# Altium PCB DevKitWRM1470-r1.0.PcbDoc
Units mm, origin at the board's own origin, x right, y up, seen from the top; angles counter-clockwise.
Board outline 101.01 x 77.01 mm, 4 copper layers (Top Layer, GND, PWR, Bottom Layer), stack 1.572 mm thick; 147 components, 96 nets, 450 pads, 291 vias.
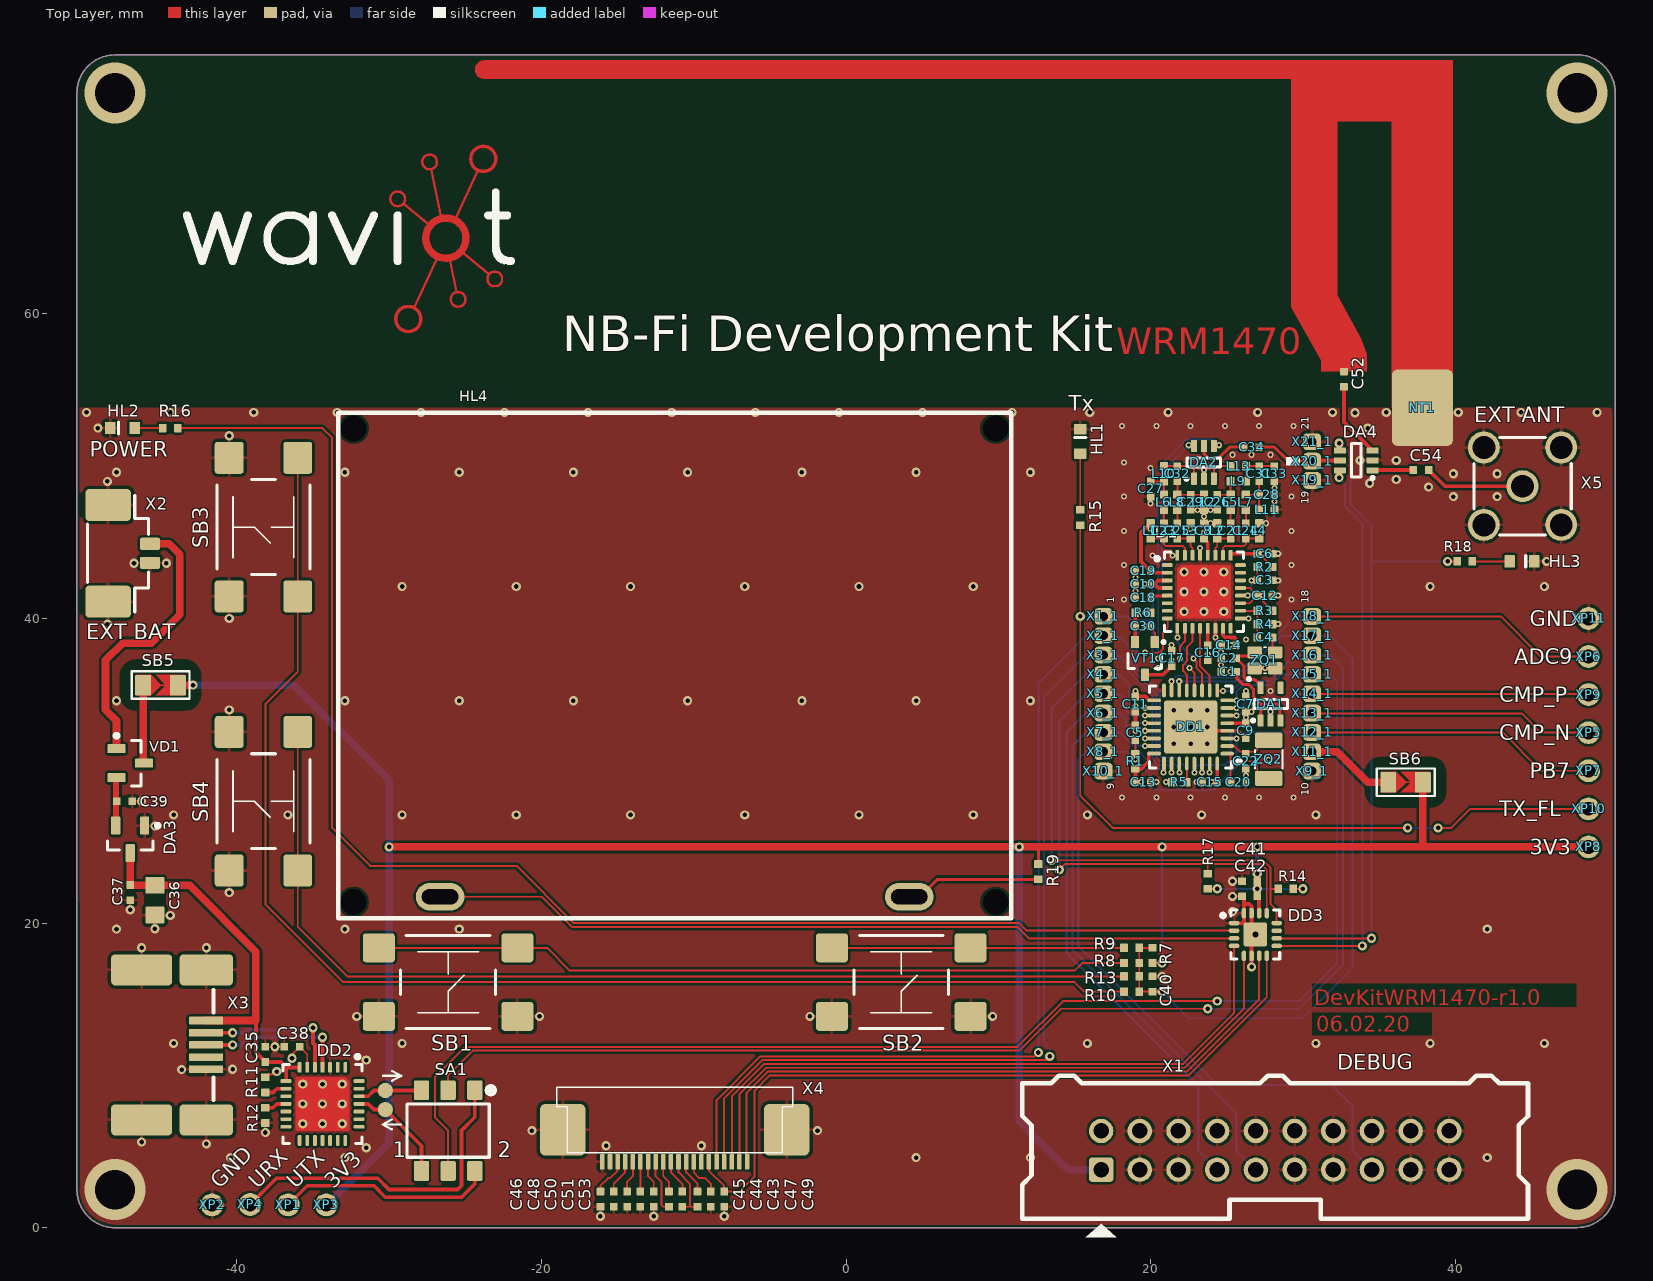
[diagram p0: Top Layer view]
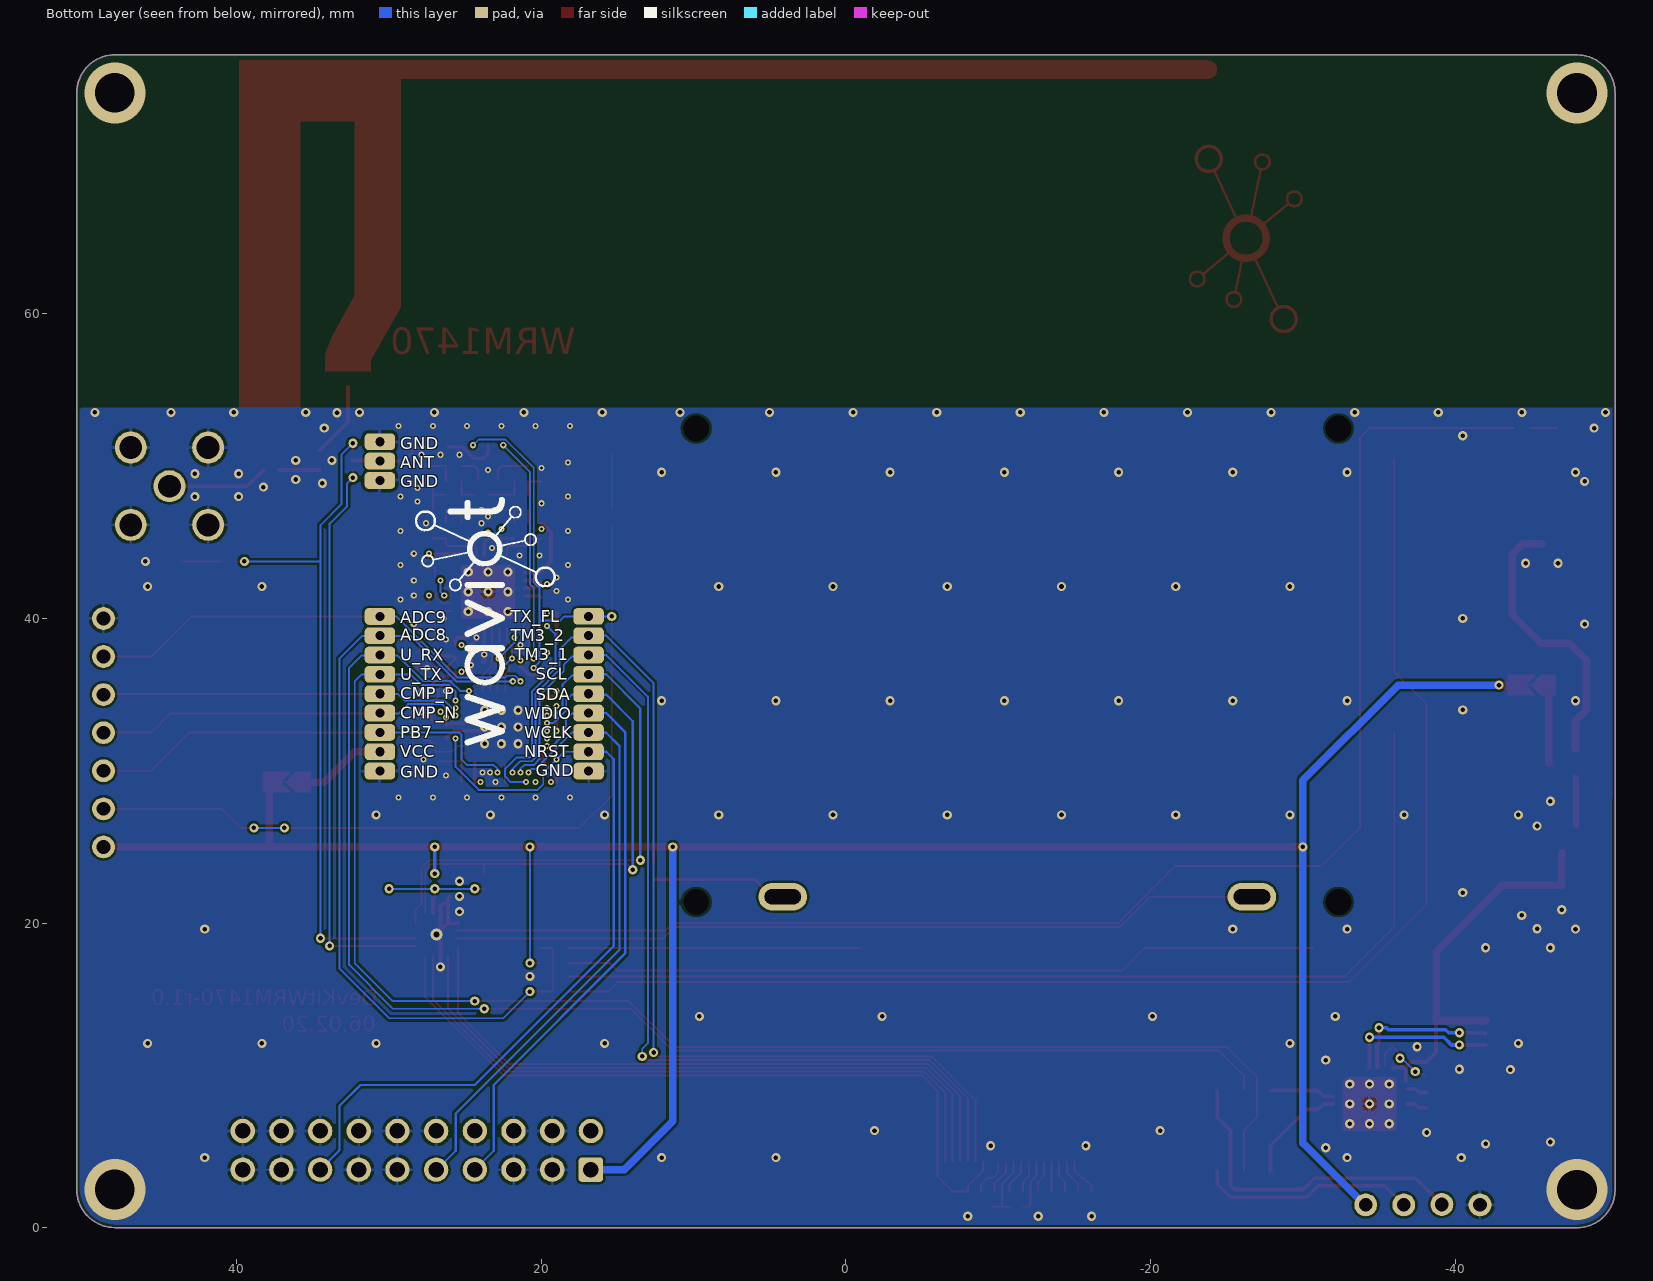
[diagram p1: Bottom Layer view, seen from below]
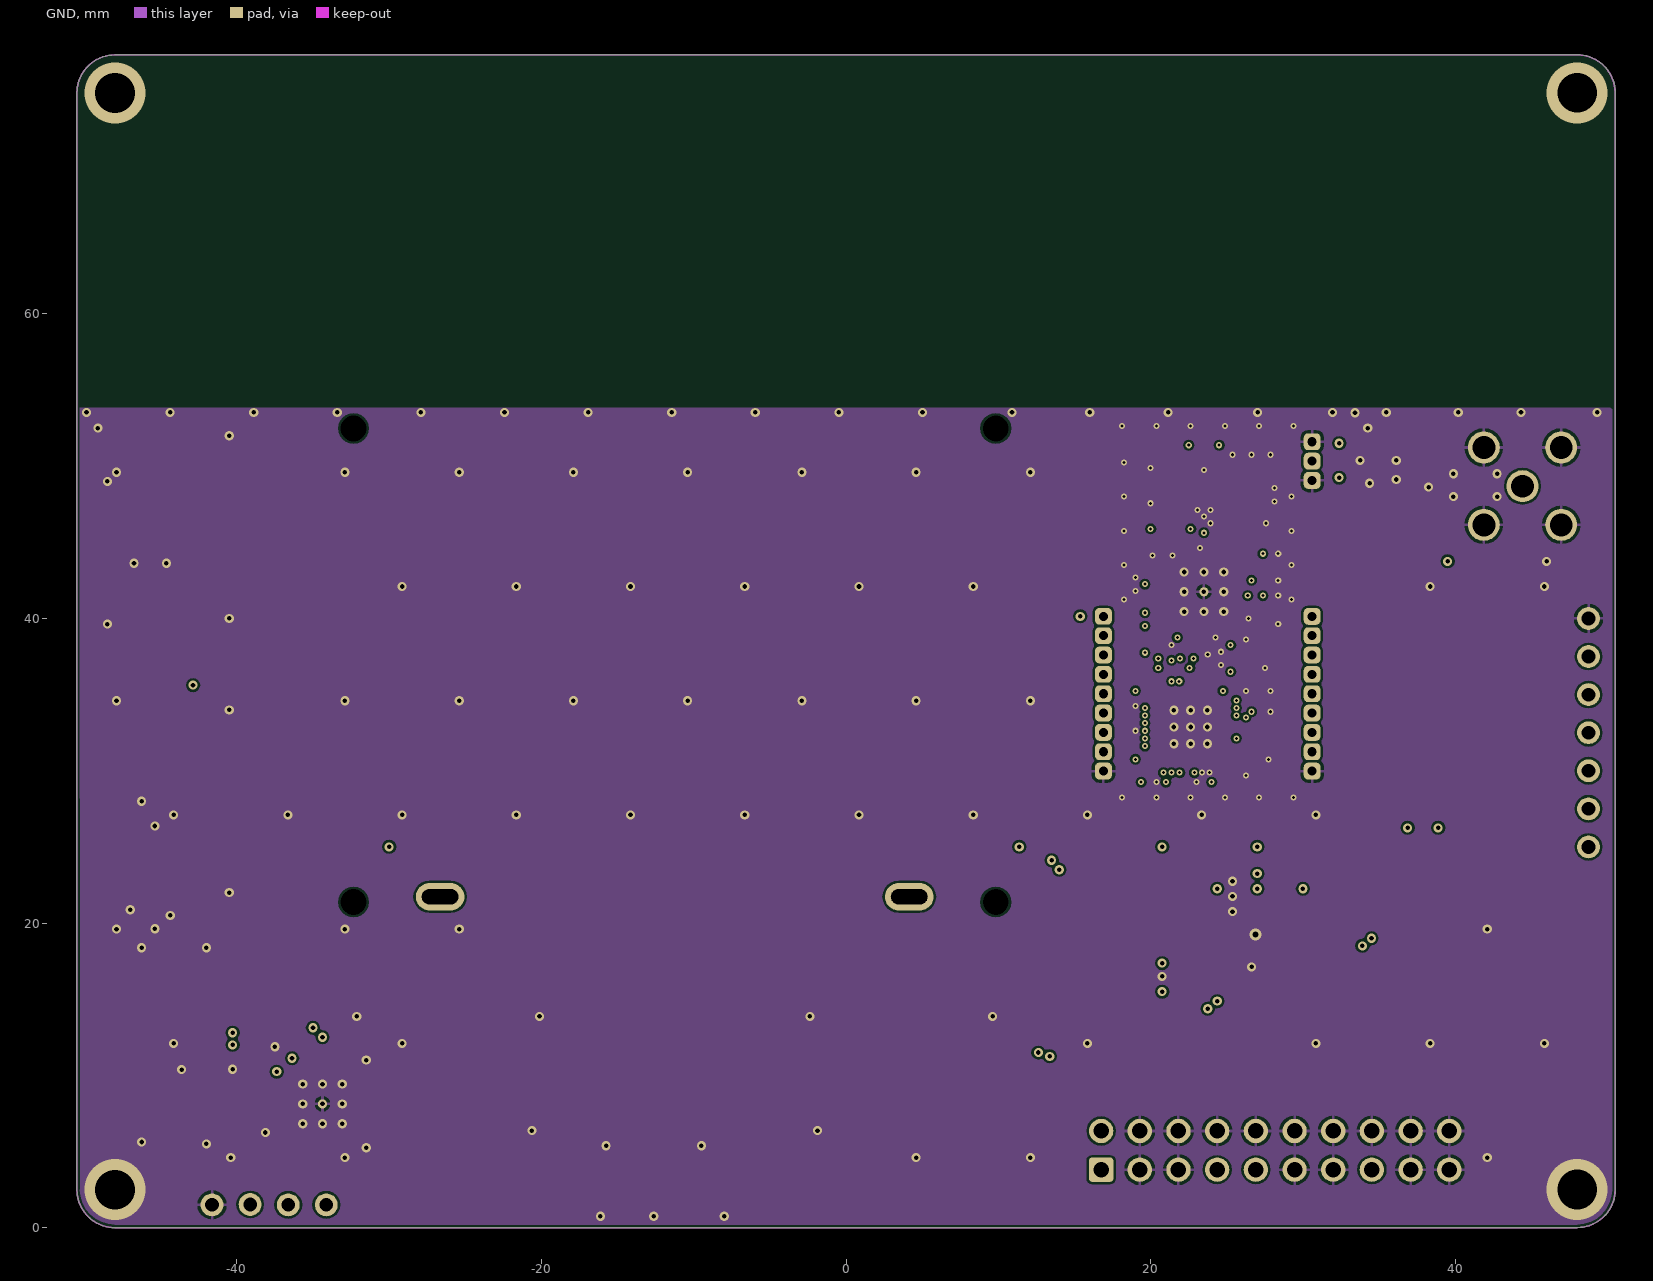
[diagram p2: GND]
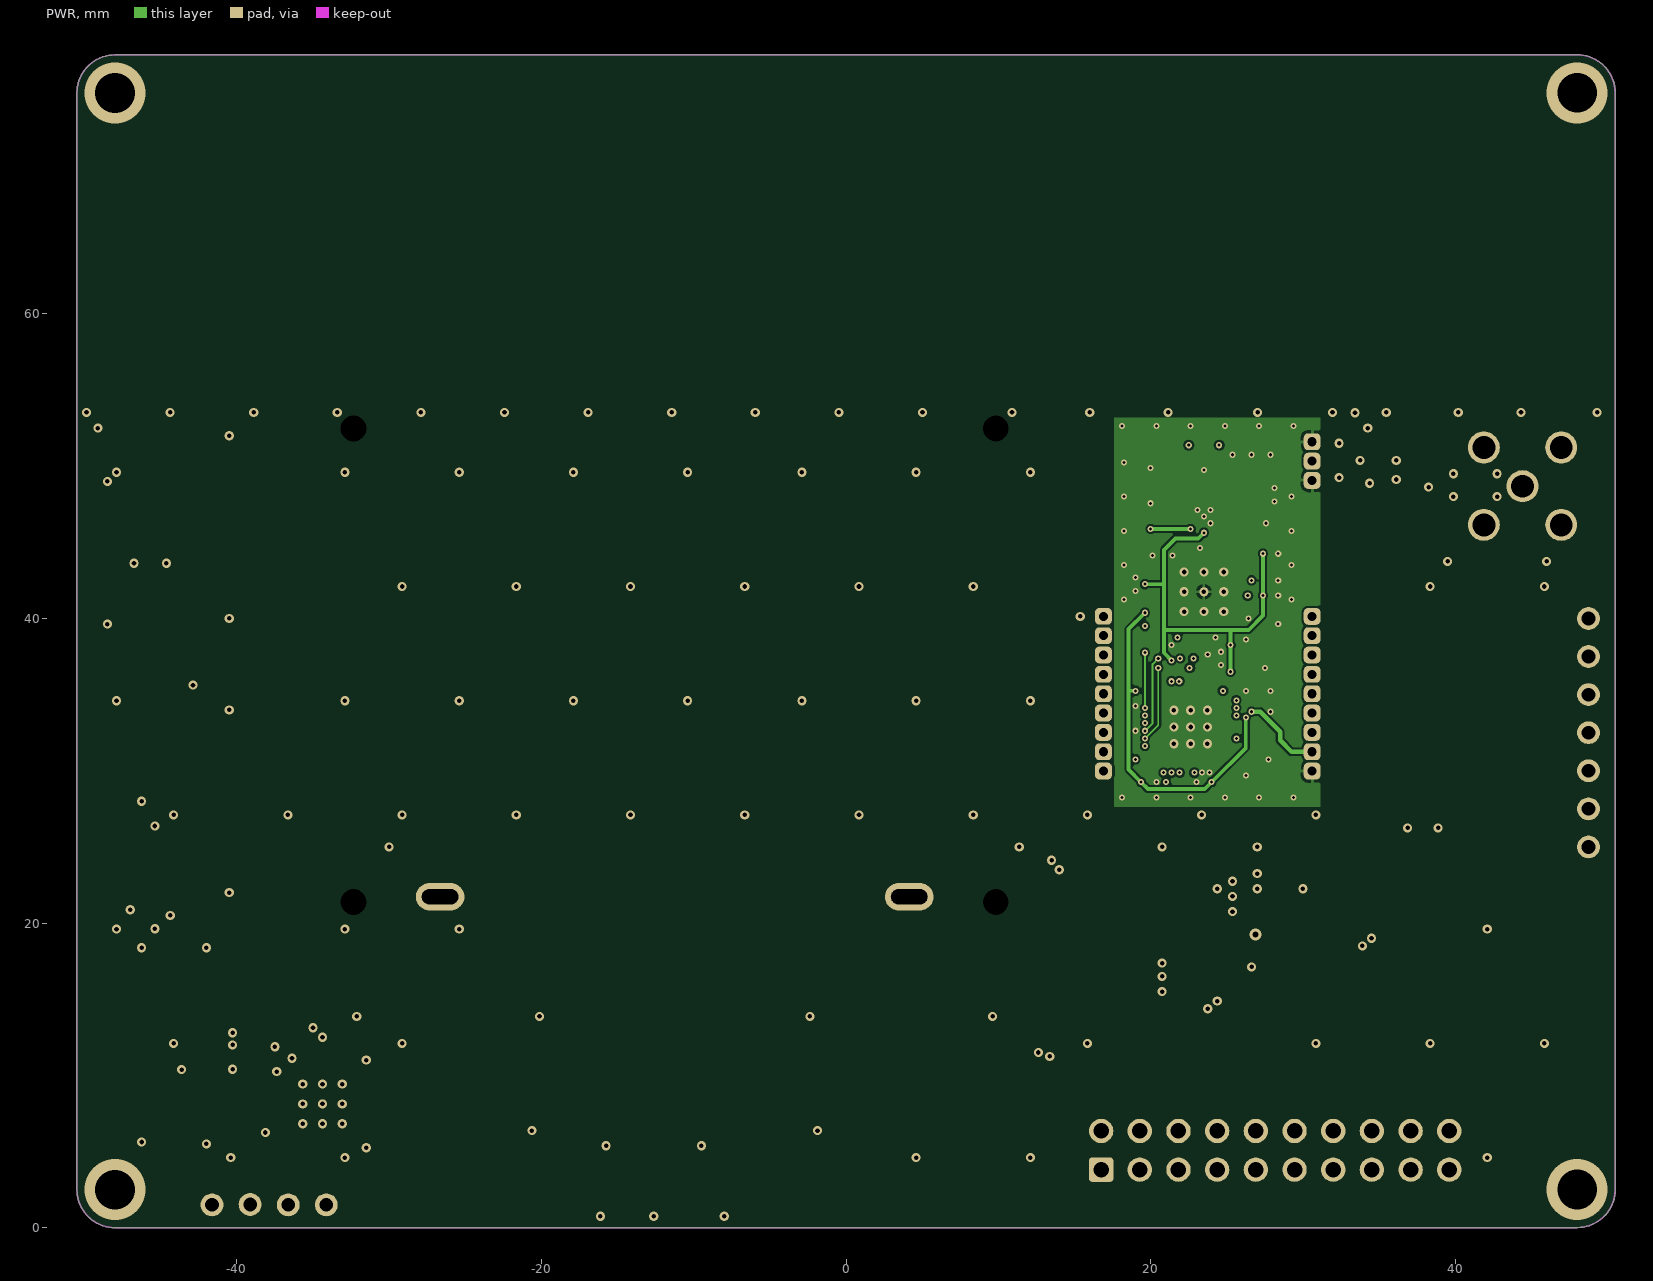
[diagram p3: PWR]
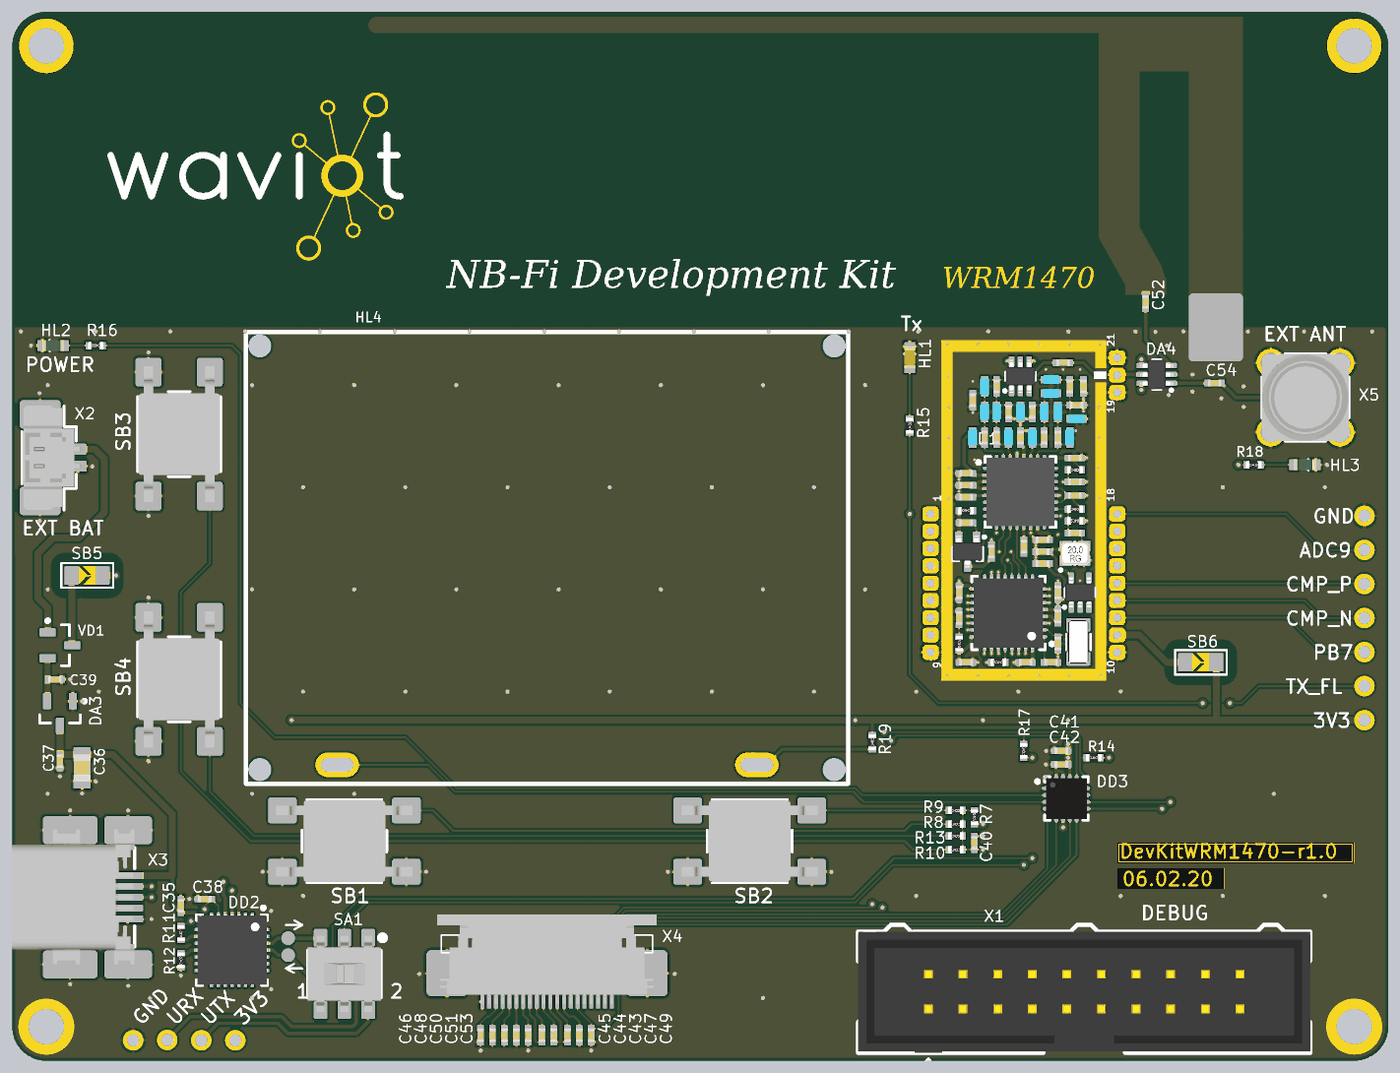
[diagram p4: 3D render of the assembled board from above, using the file's embedded part models]

## Layer stack, top to bottom
Top Solder: solder mask 0.025, SM-004, Dk 4
Top Layer: signal copper 0.018
Dielectric 2: prepreg 0.15, PP-018, Dk 4.3
GND: signal copper 0.018
Dielectric 1: core 1.2, FR-4, Dk 4.2
PWR: signal copper 0.018
Dielectric 3: prepreg 0.15, PP-018, Dk 4.3
Bottom Layer: signal copper 0.018
Bottom Solder: solder mask 0.025, SM-004, Dk 4

## Board outline
-50.5,2.5 -50.505,74.501 -50.5,74.501 cw(c-48,74.501) -48,77.001 -48.005,77.001 48,77.001 48,77.007 cw(c48,74.507) 50.5,74.507 50.5,2.506 cw(c48,2.506) 48,0.006 48,0 -48,0 cw(c-48,2.5)

## Design rules (kind name [scope] priority, off if disabled: settings)
Clearance ClearanceJMP [InComponent('SB5','SB6')] p1: gap=0.2 ignorepadtopadclearanceinfootprint=TRUE except(1: SMDPad-Poly Poly-Region)
Clearance [All] p2: gap=0.1 ignorepadtopadclearanceinfootprint=FALSE except(0.15: Arc-Fill Arc-Poly Arc-Region Track-Fill Track-Poly Track-Region SMDPad-Fill SMDPad-Poly SMDPad-Region THPad-Fill THPad-Poly THPad-Region Via-Fill Via-Poly Via-Region Fill-Fill Fill-Poly Fill-Region Poly-Poly Poly-Region Region-Region)
ComponentClearance [All] p1: gap=0.2 collisioncheckmode=3 verticalgap=0.2 showdistances=FALSE
DiffPairsRouting [All] p1: maxlimit=0.254 minlimit=0.254 mostfreqgap=0.254 toplayer_minwidth=0.25 toplayer_maxwidth=0.381 toplayer_prefwidth=0.381 midlayer1_minwidth=0.25 midlayer1_maxwidth=0.381 midlayer1_prefwidth=0.381 midlayer2_minwidth=0.25 midlayer2_maxwidth=0.381 midlayer2_prefwidth=0.381 bottomlayer_minwidth=0.25 bottomlayer_maxwidth=0.381 bottomlayer_prefwidth=0.381 maxuncoupledlength=12.7
Height [All] p1: minheight=0 maxheight=35 prefheight=12.7
HoleSize [All] p1: absolutevalues=TRUE maxlimit=5 minlimit=0.2 maxpercent=80.000 minpercent=20.000
MinimumSolderMaskSliver [All] p1: minsoldermaskwidth=0.1
PolygonConnect PolygonConnectDirect [InComponent('NT1')] p1: connectstyle=Direct reliefconductorwidth=0.2 reliefentries=4 polygonreliefangle="90 Angle" airgapwidth=0.2
PolygonConnect [All] p2: thpad.connectstyle=Relief thpad.reliefconductorwidth=0.2 thpad.reliefentries=4 thpad.polygonreliefangle="90 Angle" thpad.airgapwidth=0.2 smdpad.connectstyle=Relief smdpad.reliefconductorwidth=0.2 smdpad.reliefentries=4 smdpad.polygonreliefangle="90 Angle" smdpad.airgapwidth=0.2 via.connectstyle=Direct via.reliefconductorwidth=0.254 via.reliefentries=4 via.polygonreliefangle="90 Angle" via.airgapwidth=0.254
RoutingVias [All] p1: holewidth=0.3 width=0.6 viastyle="Through Hole" minholewidth=0.2 minwidth=0.4 maxholewidth=3 maxwidth=5
SilkToSilkClearance [All] p1: silktosilkclearance=0.01
SilkToSolderMaskClearance [IsPad] p1: minsilkscreentomaskgap=0.01 clearancetoexposedcopper=TRUE
SolderMaskExpansion [All] p1: expansion=0.05
Width [All] p1: maxlimit=3 minlimit=0.125 preferedwidth=0.25 toplayer_prefwidth=0.2 midlayer1_minwidth=0.2 bottomlayer_prefwidth=0.2 minimp=50.000000 maximp=50.000000 favimp=50.000000
23 further rules are at their usual default settings.

## Classes and differential pairs
component class "NB-Fi Module": C1 C2 C3 C4 C5 C6 C7 C8 C9 C10 C11 C12 C13 C14 C15 C16 C17 C18 C19 C20 C21 C22 C23 C24 C25 C26 C27 C28 C29 C30 C31 C32 C33 C34 D1 DA1 DA2 DD1 L1 L2 L3 L4 L5 L6 L7 L8 L9 L10 L11 L12 L13 R1 R2 R3 R4 R5 R6 VT1 X1_1 X2_1 X3_1 X4_1 X5_1 X6_1 X7_1 X8_1 X9_1 X10_1 X11_1 X12_1 X13_1 X14_1 X15_1 X16_1 X17_1 X18_1 X19_1 X20_1 X21_1 ZQ1 ZQ2
component class DevKitWRM1470-r1.0: C35 C36 C37 C38 C39 C40 C41 C42 C43 C44 C45 C46 C47 C48 C49 C50 C51 C52 C53 C54 DA3 DA4 DD2 DD3 HL1 HL2 HL3 HL4 NT1 R7 R8 R9 R10 R11 R12 R13 R14 R15 R16 R17 R18 R19 SA1 SB1 SB2 SB3 SB4 SB5 SB6 VD1 X1 X2 X3 X4 X5 XP1 XP2 XP3 XP4 XP5 XP6 XP7 XP8 XP9 XP10 XP11

## Components (designator, comment, footprint, x,y, rotation, side; value= is the part's Value field where it differs from the comment)
C1 "1u 6.3V" C0402 25.125,36.5 r0 top
C2 "1u 6.3V" C0402 25.125,37.375 r0 top
C3 "1u 6.3V" C0402 27.5,42.5 r180 top
C4 "1000p 50V" C0402 27.5,38.75 r180 top
C5 "0.1u 25V" C0402 19,32.5 r90 top
C6 "0.1u 25V" C0402 27.5,44.25 r180 top
C7 "4.7u 6.3V" C0402 26.25,34.375 r90 top
C8 "0.1u 25V" C0402 23.5,45.75 r270 top
C9 "0.1u 25V" C0402 26.25,32.625 r270 top
C10 "0.1u 25V" C0402 19.5,42.25 r0 top
C11 "0.1u 25V" C0402 19,34.375 r270 top
C12 "0.1u 25V" C0402 27.5,41.5 r180 top
C13 "0.1u 25V" C0402 19.5,29.25 r0 top
C14 "0.1u 25V" C0402 25.125,38.25 r0 top
C15 "0.1u 25V" C0402 23.875,29.25 r180 top
C16 "0.1u 25V" C0402 23.75,37.75 r90 top
C17 "4.7u 6.3V" C0402 21.375,37.375 r270 top
C18 "0.1u 25V" C0402 19.5,41.375 r0 top
C19 "0.1u 25V" C0402 19.5,43.125 r0 top
C20 "7.5p 50V" C0402 25.75,29.25 r0 top
C21 "2.7p 50V" C0402 25.25,45.75 r90 top
C22 "7.5p 50V" C0402 26.25,30.625 r270 top
C23 "100p 50V" C0402 20.875,45.75 r90 top
C24 "2.7p 50V" C0402 26.25,45.75 r90 top
C25 "100p 50V" C0402 21.75,45.75 r90 top
C26 "6.2p 50V" C0402 24.375,47.625 r270 top
C27 "6.2p 50V" C0402 20,48.5 r270 top
C28 "3.6p 50V" C0402 27.625,48.125 r0 top
C29 "3.6p 50V" C0402 22.625,47.625 r270 top
C30 "0.1u 25V" C0402 19.5,39.5 r180 top
C31 "2.7p 50V" C0402 27.125,49.5 r90 top
C32 "2.7p 50V" C0402 21.75,49.5 r90 top
C33 "5.1p 50V" C0402 28.125,49.5 r90 top
C34 "330p 50V" C0402 26.625,51.25 r180 top
C35 "0.1u 25V" C0402 -38.125,11.375 r270 top
C36 "10u 25V" C0805 -45.375,21.5 r270 top
C37 "0.1u 25V" C0402 -47,22 r90 top
C38 "0.1u 25V" C0402 -36.375,11.875 r0 top
C39 "0.1u 25V" C0402 -47.375,28 r180 top
C40 "0.1u 25V" C0402 20.125,16 r270 top
C41 "4.7u 6.3V" C0402 26.5,22.75 r0 top
C42 "0.1u 25V" C0402 26.5,21.75 r0 top
C43 "1u 16V" C0402 -9.75,1.875 r90 top
C44 "1u 16V" C0402 -10.75,1.875 r90 top
C45 "1u 16V" C0402 -11.625,1.875 r270 top
C46 "1u 16V" C0402 -16.125,1.875 r90 top
C47 "1u 16V" C0402 -8.875,1.875 r90 top
C48 "1u 16V" C0402 -15.25,1.875 r90 top
C49 "1u 16V" C0402 -8,1.875 r90 top
C50 "1u 16V" C0402 -14.375,1.875 r90 top
C51 "1u 16V" C0402 -13.5,1.875 r90 top
C52 "3.6p 50V" C0402 32.692,55.709 r90 top
C53 "1u 16V" C0402 -12.625,1.875 r90 top
C54 "330p 50V" C0402 37.75,49.75 r180 top
D1 "SWS1470-A0 QFN32" QFN32 23.5,41.75 r0 top
DA1 "NCP502SQ18T2G" SOT323-5 27.875,34.375 r0 top
DA2 "MASWSS0115TR-3000" SOT323-6 23.5,50.25 r0 top
DA3 "AP2210N-3.3TRG1" SOT23-3L -47,25.5 r180 top
DA4 "MASWSS0115TR-3000" SOT323-6 33.5,50.375 r90 top
DD1 "STM32L071KBU6" UFQFPN32 22.625,32.875 r180 top
DD2 "CP2102-GMR" QFN28 -34.375,8.125 r270 top
DD3 "PCA9554ARGTR" QFN16 26.875,19.25 r0 top
HL1 "KP-1608SURCK" LED0603_RED 15.375,51.625 r90 top
HL2 "KPH-1608SGD" LED0603_GREEN -47.5,52.5 r180 top
HL3 "KPH-1608SGD" LED0603_GREEN 44.375,43.75 r0 top
HL4 "JHD12864" JHD12864 -11.25,36.925 r0 top locked
L1 "82nH" L0402_LQW 20,45.75 r90 top
L2 "18nH" L0402_LQW 24.375,45.75 r90 top
L3 "82nH" L0402_LQW 22.625,45.75 r90 top
L4 "18nH" L0402_LQW 27.125,45.75 r90 top
L5 "18nH" L0402_LQW 25.25,47.625 r90 top
L6 "12nH" L0402_LQW 20.875,47.625 r90 top
L7 "18nH" L0402_LQW 26.25,47.625 r90 top
L8 "12nH" L0402_LQW 21.75,47.625 r90 top
L9 "12nH" L0402_LQW 25.75,49 r0 top
L10 "12nH" L0402_LQW 20.875,49.5 r90 top
L11 "12nH" L0402_LQW 27.625,47.125 r180 top
L12 "12nH" L0402_LQW 23.5,47.625 r90 top
L13 "6.8nH" L0402_LQW 25.75,50 r180 top
NT1 "Net Tie" NETTIE-5.0x4.0 37.842,53.834 r270 top locked net-tie
R1 "10k 1%" R0402 19,30.625 r90 top
R2 "10k 1%" R0402 27.5,43.375 r0 top
R3 "1M 1%" R0402 27.5,40.5 r0 top
R4 "1M 1%" R0402 27.5,39.625 r180 top
R5 "1k 1%" R0402 21.875,29.25 r180 top
R6 "1R 1%" R0402 19.5,40.375 r180 top
R7 "10k 1%" R0402 20.125,17.875 r270 top
R8 "100R 1%" R0402 18.75,17.375 r0 top
R9 "3.3k 1%" R0402 18.75,18.375 r0 top
R10 "10k 1%" R0402 18.75,15.5 r0 top
R11 "10k 1%" R0402 -38.125,9.375 r90 top
R12 "10k 1%" R0402 -38.125,7.375 r90 top
R13 "33k 1%" R0402 18.75,16.5 r0 top
R14 "4.7k 1%" R0402 28.875,22.25 r0 top
R15 "1k 1%" R0402 15.375,46.625 r90 top
R16 "1k 1%" R0402 -44.375,52.5 r180 top
R17 "4.7k 1%" R0402 23.75,22.75 r270 top
R18 "1k 1%" R0402 40.625,43.75 r0 top
R19 "22R 1%" R0402 12.625,23.375 r90 top
SA1 "CAS-220TB" CAS-220 -26.125,6.375 r180 top locked
SB1 "FSM4JSMATR" FSM4JSMATR -26.125,16.125 r270 top locked
SB2 "FSM4JSMATR" FSM4JSMATR 3.625,16.125 r270 top locked
SB3 "FSM4JSMATR" FSM4JSMATR -38.25,46 r180 top locked
SB4 "FSM4JSMATR" FSM4JSMATR -38.25,28 r180 top locked
SB5 "Jumper Solder" SB0805 -45,35.625 r0 top
SB6 "Jumper Solder" SB0805 36.75,29.25 r0 top
VD1 "PMEG2005CT" SOT23-3L -47,30.5 r270 top
VT1 "PMF170XP" SOT323 19.625,37.375 r180 top
X1 "BH-20" BH-20_PCB 28.177,5.079 r0 top locked
X1_1 "TX_FL" PAD-d0.6-h1.1-l1.2 16.9,40.14 r0 top locked
X2 "0533980271" 0533980271_PCB -47.075,44.276 r270 top locked
X2_1 "TM3_2" PAD-d0.6-h1.1-l1.2 16.9,38.87 r0 top locked
X3 "0548190572" 0548190572 -46.25,12 r270 top locked
X3_1 "TM3_1" PAD-d0.6-h1.1-l1.2 16.9,37.6 r180 top locked
X4 "0527462071" 0527462071_PCB -11.25,5.375 r180 top locked
X4_1 "SCL" PAD-d0.6-h1.1-l1.2 16.9,36.33 r180 top locked
X5 "5-1814832-1" 5-1814832-1 44.417,48.684 r0 top locked
X5_1 "SDA" PAD-d0.6-h1.1-l1.2 16.9,35.06 r180 top
X6_1 "WDIO" PAD-d0.6-h1.1-l1.2 16.9,33.79 r0 top
X7_1 "WCLK" PAD-d0.6-h1.1-l1.2 16.9,32.52 r180 top
X8_1 "NRST" PAD-d0.6-h1.1-l1.2 16.9,31.25 r180 top
X9_1 "GND" PAD-d0.6-h1.1-l1.2 30.6,29.98 r0 top locked
X10_1 "GND" PAD-d0.6-h1.1-l1.2 16.9,29.98 r180 top locked
X11_1 "VCC" PAD-d0.6-h1.1-l1.2 30.6,31.25 r180 top locked
X12_1 "PB7" PAD-d0.6-h1.1-l1.2 30.6,32.52 r180 top locked
X13_1 "CMP_N" PAD-d0.6-h1.1-l1.2 30.6,33.79 r180 top locked
X14_1 "CMP_P" PAD-d0.6-h1.1-l1.2 30.6,35.06 r180 top locked
X15_1 "U_TX" PAD-d0.6-h1.1-l1.2 30.6,36.33 r0 top locked
X16_1 "U_RX" PAD-d0.6-h1.1-l1.2 30.6,37.6 r180 top locked
X17_1 "ADC8" PAD-d0.6-h1.1-l1.2 30.6,38.87 r0 top locked
X18_1 "ADC9" PAD-d0.6-h1.1-l1.2 30.6,40.135 r0 top locked
X19_1 "GND" PAD-d0.6-h1.1-l1.2 30.6,49.06 r180 top locked
X20_1 "ANT" PAD-d0.6-h1.1-l1.2 30.6,50.33 r180 top locked
X21_1 "GND" PAD-d0.6-h1.1-l1.2 30.6,51.6 r180 top locked
XP1 "PLS-1" HDR1X1#1 -36.625,1.5 r90 top
XP2 "PLS-1" HDR1X1#2 -41.479,1.45 r90 top
XP3 "PLS-1" HDR1X1#3 -39.525,1.475 r90 top
XP4 "PLS-1" HDR1X1#4 -39.125,1.5 r90 top
XP5 "PLS-1" HDR1X1#1 48.75,32.5 r180 top
XP6 "PLS-1" HDR1X1#1 48.75,37.5 r180 top
XP7 "PLS-1" HDR1X1#1 48.75,30 r180 top
XP8 "PLS-1" HDR1X1#5 48.75,14.623 r180 top
XP9 "PLS-1" HDR1X1#1 48.75,35 r180 top
XP10 "PLS-1" HDR1X1#1 48.75,27.5 r180 top
XP11 "PLS-1" HDR1X1#6 48.75,34.638 r180 top
ZQ1 "26MHz 2ppm" QSMD2.0x1.6x0.7 27.5,37.25 r0 top
ZQ2 "32.768 kHz" QSMD3.2X1.5X0.8 27.75,30.75 r90 top

## Footprints (in the part's own frame and the unit in brackets; to place one, negate y for a bottom-side part, rotate by r counter-clockwise, add the part's x,y. Pads: shape width x height; smd on the part's side, far side on the other; paste and mask are expansions set on the pad)
5-1814832-1 [mm]
  round 2.1 hole 1.5: 1(0,0) 2(-2.54,-2.54) 2(-2.54,2.54) 2(2.54,-2.54) 2(2.54,2.54)
  silkscreen extent -3.2,-3.2 3.2,3.2, body extent -3.2,-3.2 3.2,3.2, height 9.55
0527462071_PCB [mm] "20POS 0.50MM CONN FFC"
  rrect25% 0.3x1 smd mask+0.05: 1(-4.75,1.05) 2(-4.25,1.05) 3(-3.75,1.05) 4(-3.25,1.05) 5(-2.75,1.05) 6(-2.25,1.05) 7(-1.75,1.05) 8(-1.25,1.05) 9(-0.75,1.05) 10(-0.25,1.05) 11(0.25,1.05) 12(0.75,1.05) 13(1.25,1.05) 14(1.75,1.05) 15(2.25,1.05) 16(2.75,1.05) 17(3.25,1.05) 18(3.75,1.05) 19(4.25,1.05) 20(4.75,1.05)
  rrect25% 3x3.4 smd mask+0.05: 21(-7.35,-1.05) 21(7.35,-1.05)
  silkscreen extent -7.75,-3.85 7.75,0.45, body extent -8.05,-5.37 8.05,1.23, height 2
0533980271_PCB [mm] "SMD 2POS 1.25MM"
  rrect25% 0.8x1.3 smd mask+0.05: 1(-0.625,1.375) 2(0.625,1.375)
  rrect25% 2.1x3 smd mask+0.05: 3(-3.175,-1.375) 3(3.175,-1.375)
  silkscreen extent -3.8,-2.73 3.85,1.28, body extent -3.83,-2.58 3.83,1.62, height 4.6
0548190572 [mm] "USB - mini B"
  rrect25% 0.5x2.25 smd: 1(-1.6,4.225) 2(-0.8,4.225) 3(0,4.225) 4(0.8,4.225) 5(1.6,4.225)
  rrect25% 2.05x3.5 smd: 6(-4.925,4.25) 6(4.925,4.25)
  rrect25% 2.05x4 smd: 6(-4.925,0) 6(4.925,0)
  silkscreen extent -3.62,4.73 3.63,4.73, body extent -4.97,-4.27 4.93,4.73, height 4.05
BH-20_PCB [mm]
  rrect25% 1.6x1.6 hole 1.02: 1(-11.43,-1.27)
  round 1.6 hole 1.02: 2(-11.43,1.27) 3(-8.89,-1.27) 4(-8.89,1.27) 5(-6.35,-1.27) 6(-6.35,1.27) 7(-3.81,-1.27) 8(-3.81,1.27) 9(-1.27,-1.27) 10(-1.27,1.27) 11(1.27,-1.27) 12(1.27,1.27) 13(3.81,-1.27) 14(3.81,1.27) 15(6.35,-1.27) 16(6.35,1.27) 17(8.89,-1.27) 18(8.89,1.27) 19(11.43,-1.27) 20(11.43,1.27)
  silkscreen extent -16.6,-5.71 16.6,4.9, body extent -16.6,-4.5 16.6,4.4, height 9
C0402 [mm] "Chip Capacitor 0402"
  rrect10% 0.5x0.5 smd: 1(-0.5,0) 2(0.5,0)
  Top Layer pour cut-out: -0.15,0.35 0.15,0.35 0.15,-0.35 -0.15,-0.35
  body extent -0.5,-0.25 0.5,0.25, height 0.5
C0805 [mm] "Chip Capacitor 0805"
  rrect10% 1.1x1.25 smd: 1(-0.975,0) 2(0.975,0)
  Top Layer pour cut-out: -0.4,0.7 0.4,0.7 0.4,-0.7 -0.4,-0.7
  body extent -1,-0.62 1,0.63, height 1
CAS-220 [mm]
  rrect20% 1x1.3 smd: 1(-1.75,-2.65) 2(0,-2.65) 3(1.75,-2.65) 4(-1.75,2.65) 5(0,2.65) 6(1.75,2.65)
  silkscreen extent -3,-2.85 2.7,1.75, body extent -2.7,-2.8 2.7,2.8, height 2.5
FSM4JSMATR [mm]
  rrect20% 1.9x2.1 smd: 1(-2.25,4.55) 2(-2.25,-4.55) 3(2.25,-4.55) 4(2.25,4.55)
  silkscreen extent -3.05,-3.12 3.05,3.12, body extent -3,-5 3,5, height 4.36
HDR1X1#1 [mm]
  round 1.5 hole 0.9 mask+0: 1(0,0)
HDR1X1#2 [mm]
  round 1.5 hole 0.9 mask+0: 1(0.05,0.146)
HDR1X1#3 [mm]
  round 1.5 hole 0.9 mask+0: 1(0.025,-5.4)
HDR1X1#4 [mm]
  round 1.5 hole 0.9 mask+0: 1(0.025,0)
HDR1X1#5 [mm]
  round 1.5 hole 0.9 mask+0: 1(0,-10.377)
HDR1X1#6 [mm]
  round 1.5 hole 0.9 mask+0: 1(0,-5.362)
JHD12864 [mm]
  oval 3.2x1.8 hole 1 slot 2.4 at 0 deg: A(15.4,-15.2) K(-15.4,-15.2)
  round 0 hole 1.7 unplated: ""(-21.08,-15.55) ""(-21.08,15.55) ""(21.08,-15.55) ""(21.08,15.55)
  silkscreen extent -22.1,-16.6 22.1,16.58, body extent -22.1,-16.6 22.1,16.58, height 4
L0402_LQW [mm] "Chip Inductor 0402"
  rrect10% 0.53x0.55 smd: 1(-0.5,0) 2(0.5,0)
  body extent -0.59,-0.32 0.6,0.32, height 0.65
LED0603_GREEN [mm]
  rrect10% 0.7x0.8 smd mask+0.075: 1(-0.8,0) 2(0.8,0)
  silkscreen extent 0.25,-0.38 0.25,0.38, body extent -0.8,-0.4 0.8,0.4, height 0.39
LED0603_RED [mm]
  rrect10% 0.7x0.8 smd mask+0.075: 1(-0.8,0) 2(0.8,0)
  Top Layer pour cut-out: -0.35,0.55 0.35,0.55 0.35,-0.55 -0.35,-0.55
  silkscreen extent 0.25,-0.38 0.25,0.38, body extent -0.8,-0.4 0.8,0.4, height 0.39